# KiCad board Julelys LED.kicad_pcb
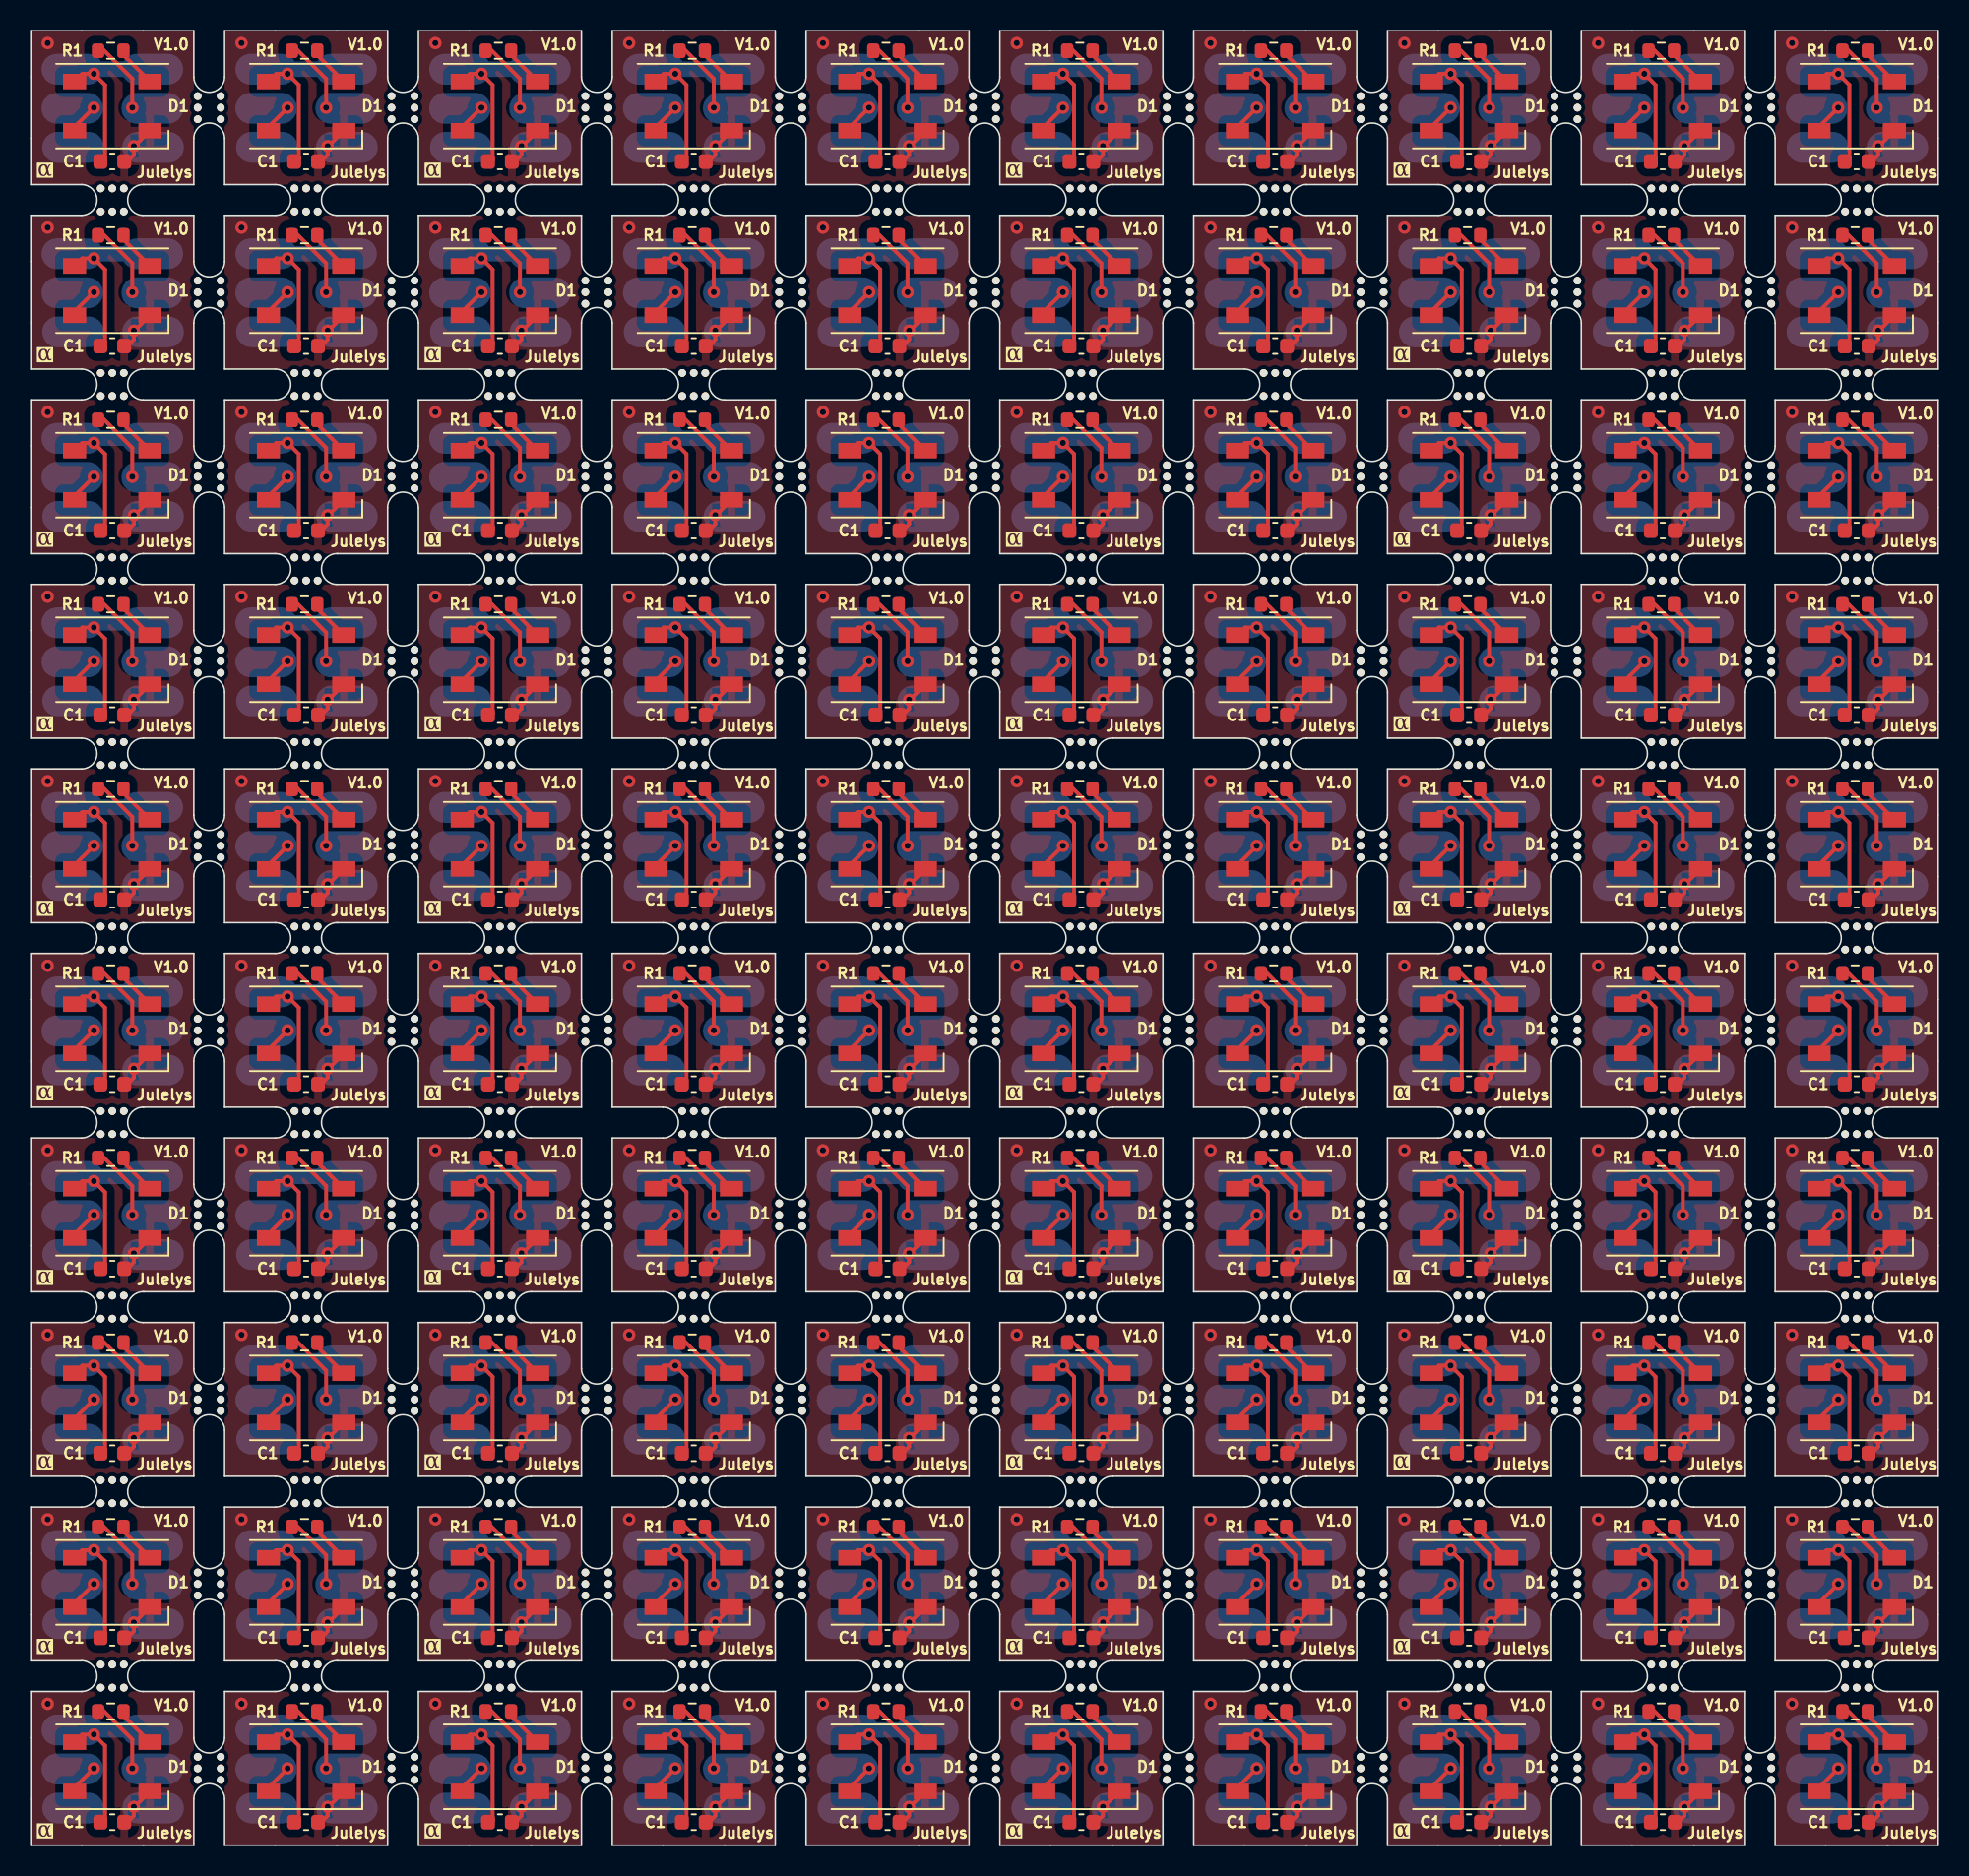
[diagram p0: board, top side]
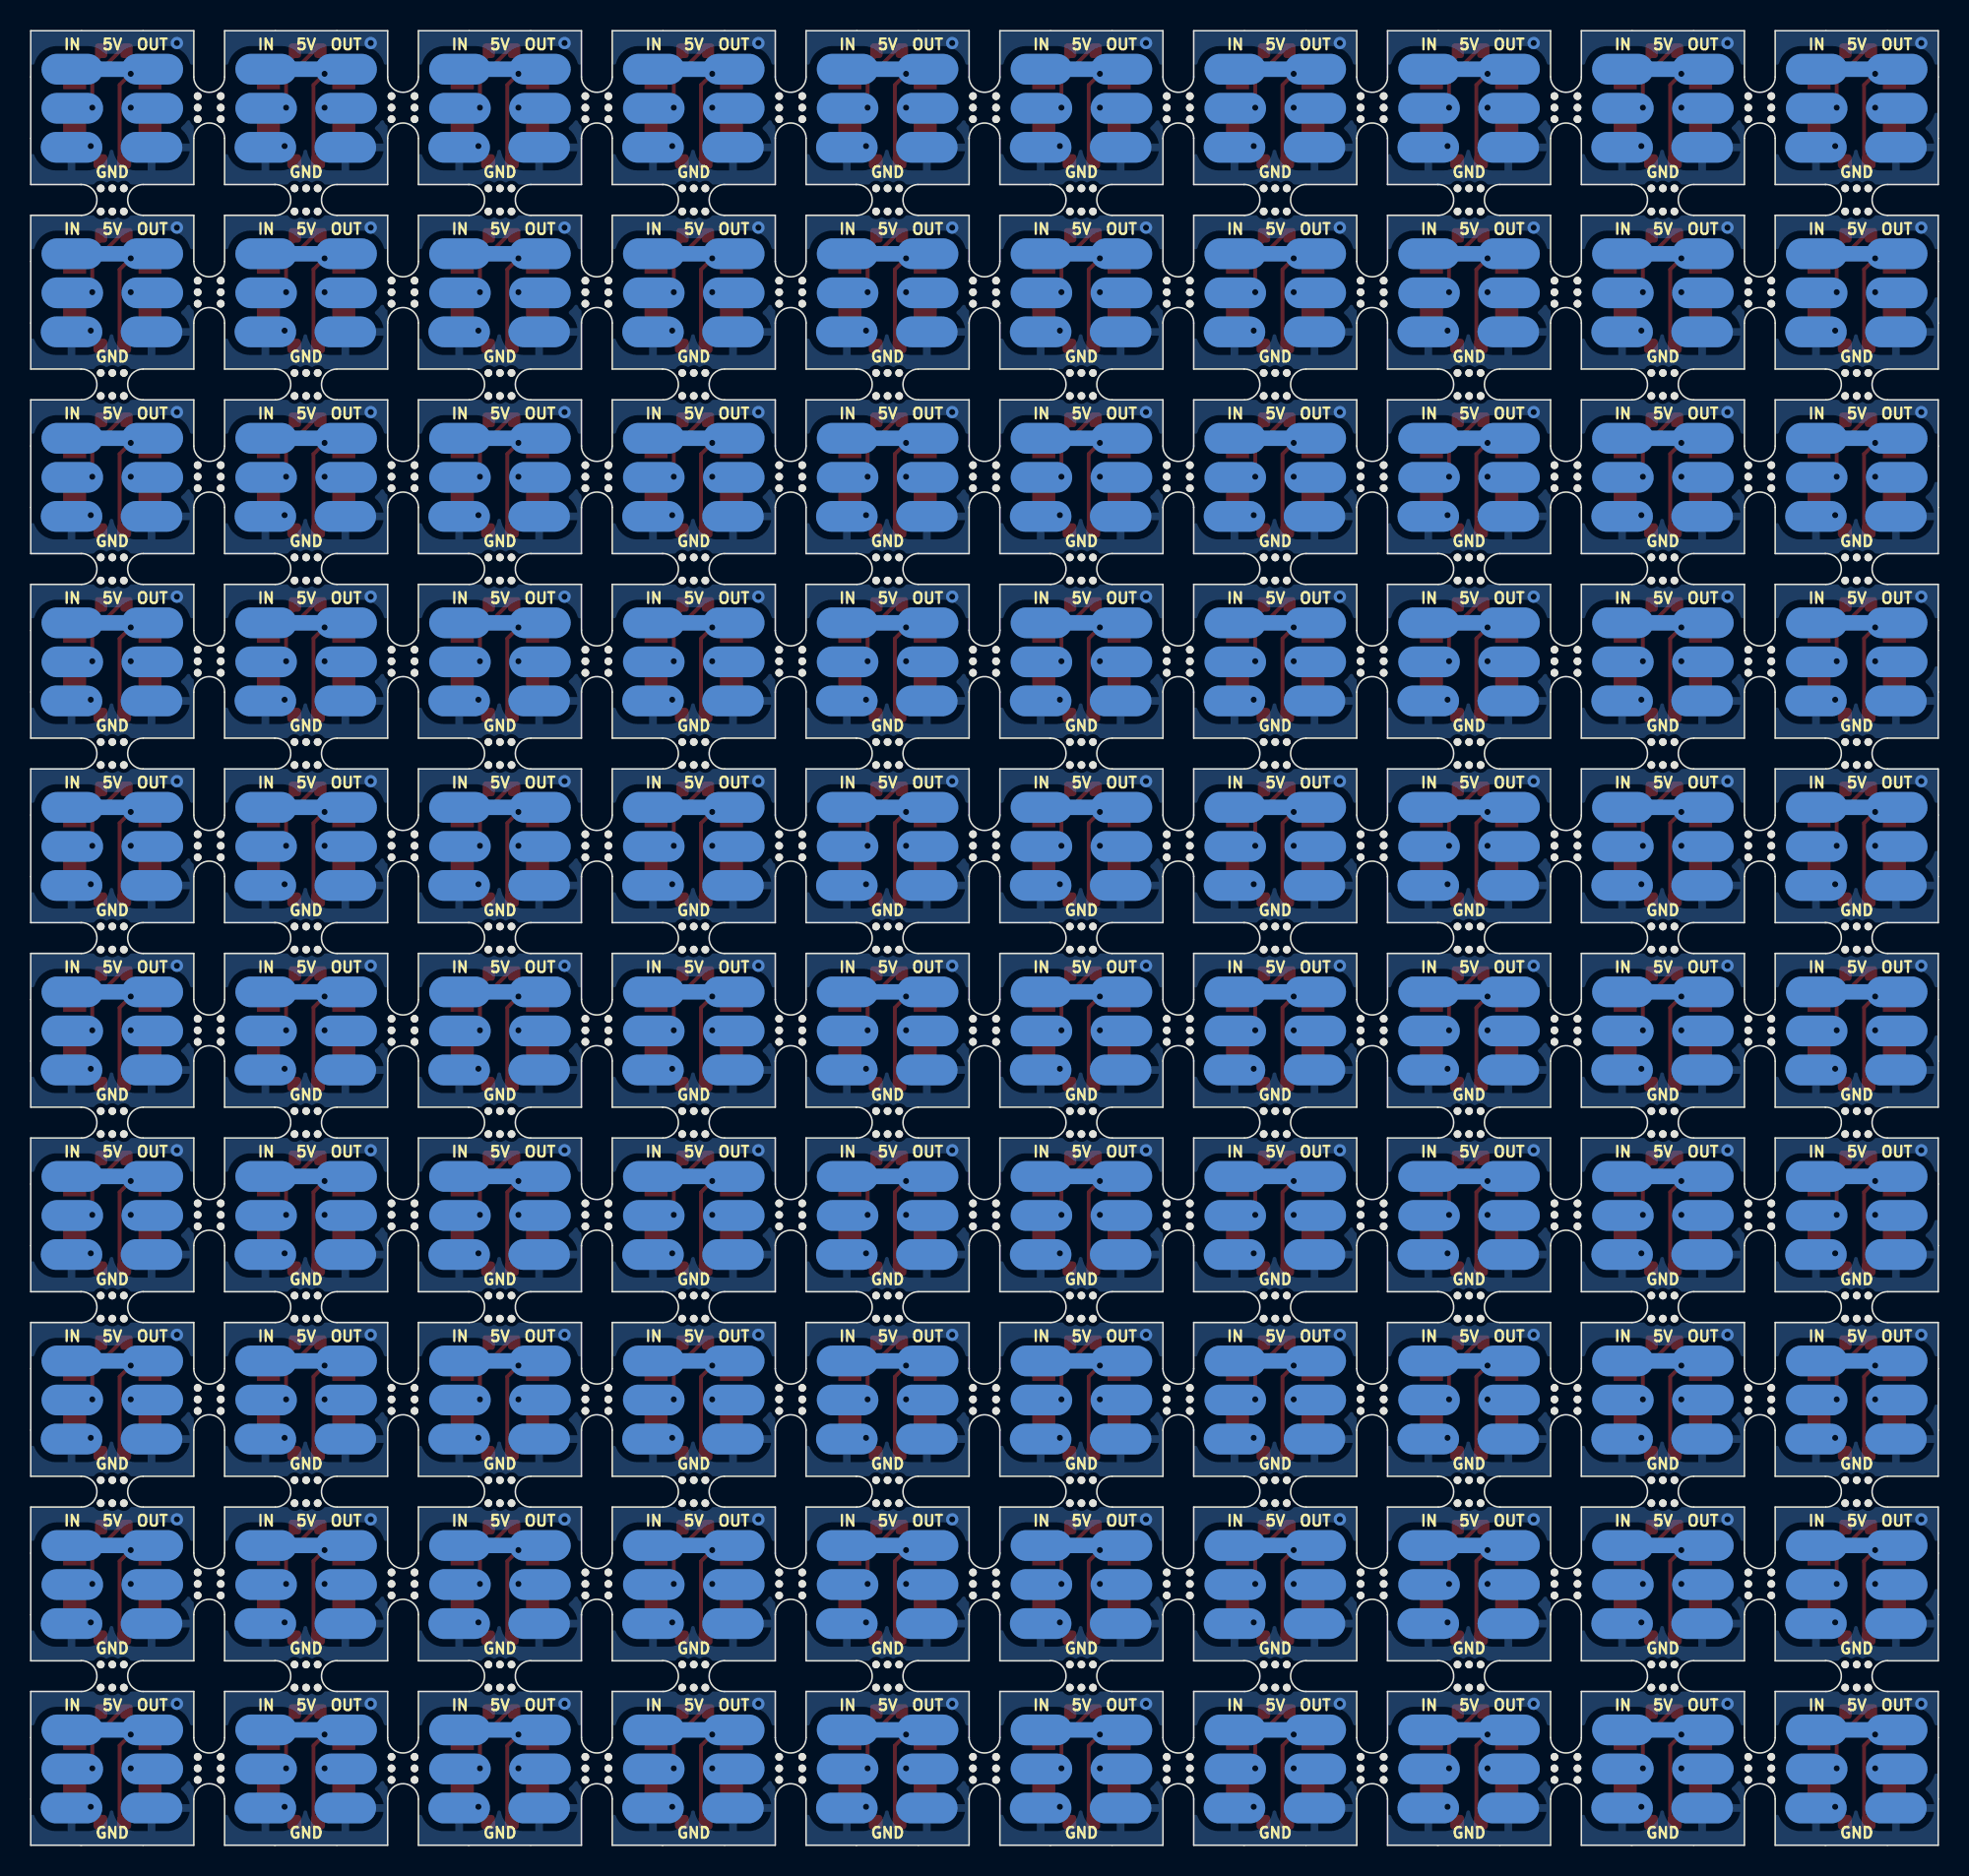
[diagram p1: board, bottom side, seen from below]

Outline 124 x 117.99 mm; copper layers: Top (plane), Bottom (plane). Coordinates in mm from the lower left corner of the outline.
Outline path: 3.3,107.99 0,107.99 0,117.99 10.6,117.99 10.6,114.99 ; 3.3,105.99 0,105.99 0,95.99 3.3,95.99 ; 3.3,93.99 0,93.99 0,83.99 3.3,83.99 ; 3.3,81.99 0,81.99 0,71.99 3.3,71.99 ; 3.3,69.99 0,69.99 0,59.99 3.3,59.99 ; 3.3,57.99 0,57.99 0,47.99 3.3,47.99 ; 3.3,45.99 0,45.99 0,35.99 3.3,35.99 ; 3.3,33.99 0,33.99 0,23.99 3.3,23.99 ; 3.3,21.99 0,21.99 0,11.99 3.3,11.99 ; 3.3,10 0,10 0,0 10.6,0 10.6,3 ; 7.3,105.99 10.6,105.99 10.6,102.99 ; 7.3,93.99 10.6,93.99 10.6,90.99 ; 7.3,81.99 10.6,81.99 10.6,78.99 ; 7.3,69.99 10.6,69.99 10.6,66.99 ; 7.3,57.99 10.6,57.99 10.6,54.99 ; 7.3,45.99 10.6,45.99 10.6,42.99 ; 7.3,33.99 10.6,33.99 10.6,30.99 ; 7.3,21.99 10.6,21.99 10.6,18.99 ; 7.3,10 10.6,10 10.6,7 ; 7.3,107.99 10.6,107.99 10.6,110.99 ; 7.3,95.99 10.6,95.99 10.6,98.99 ; 7.3,83.99 10.6,83.99 10.6,86.99 ; 7.3,71.99 10.6,71.99 10.6,74.99 ; 7.3,59.99 10.6,59.99 10.6,62.99 ; 7.3,47.99 10.6,47.99 10.6,50.99 ; 7.3,35.99 10.6,35.99 10.6,38.99 ; 7.3,23.99 10.6,23.99 10.6,26.99 ; 7.3,11.99 10.6,11.99 10.6,14.99 ; 12.6,114.99 12.6,117.99 23.2,117.99 23.2,114.99 ; 12.6,110.99 12.6,107.99 15.9,107.99 ; 12.6,102.99 12.6,105.99 15.9,105.99 ; 12.6,98.99 12.6,95.99 15.9,95.99 ; 12.6,90.99 12.6,93.99 15.9,93.99 ; 12.6,86.99 12.6,83.99 15.9,83.99 ; 12.6,78.99 12.6,81.99 15.9,81.99 ; 12.6,74.99 12.6,71.99 15.9,71.99 ; 12.6,66.99 12.6,69.99 15.9,69.99 ; 12.6,62.99 12.6,59.99 15.9,59.99 ; 12.6,54.99 12.6,57.99 15.9,57.99 ; 12.6,50.99 12.6,47.99 15.9,47.99 ; 12.6,42.99 12.6,45.99 15.9,45.99 ; 12.6,38.99 12.6,35.99 15.9,35.99 ; 12.6,30.99 12.6,33.99 15.9,33.99 ; 12.6,26.99 12.6,23.99 15.9,23.99 ; 12.6,18.99 12.6,21.99 15.9,21.99 ; 12.6,14.99 12.6,11.99 15.9,11.99 ; 12.6,7 12.6,10 15.9,10 ; 12.6,3 12.6,0 23.2,0 23.2,3 ; 19.9,105.99 23.2,105.99 23.2,102.99 ; 19.9,93.99 23.2,93.99 23.2,90.99 ; 19.9,81.99 23.2,81.99 23.2,78.99 ; 19.9,69.99 23.2,69.99 23.2,66.99 ; 19.9,57.99 23.2,57.99 23.2,54.99 ; 19.9,45.99 23.2,45.99 23.2,42.99 ; 19.9,33.99 23.2,33.99 23.2,30.99 ; 19.9,21.99 23.2,21.99 23.2,18.99 ; 19.9,10 23.2,10 23.2,7 ; 19.9,107.99 23.2,107.99 23.2,110.99 ; 19.9,95.99 23.2,95.99 23.2,98.99 ; 19.9,83.99 23.2,83.99 23.2,86.99 ; 19.9,71.99 23.2,71.99 23.2,74.99 ; 19.9,59.99 23.2,59.99 23.2,62.99 ; 19.9,47.99 23.2,47.99 23.2,50.99 ; 19.9,35.99 23.2,35.99 23.2,38.99 ; 19.9,23.99 23.2,23.99 23.2,26.99 ; 19.9,11.99 23.2,11.99 23.2,14.99 ; 25.2,114.99 25.2,117.99 35.8,117.99 35.8,114.99 ; 25.2,110.99 25.2,107.99 28.5,107.99 ; 25.2,102.99 25.2,105.99 28.5,105.99 ; 25.2,98.99 25.2,95.99 28.5,95.99 ; 25.2,90.99 25.2,93.99 28.5,93.99 ; 25.2,86.99 25.2,83.99 28.5,83.99 ; 25.2,78.99 25.2,81.99 28.5,81.99 ; 25.2,74.99 25.2,71.99 28.5,71.99 ; 25.2,66.99 25.2,69.99 28.5,69.99 ; 25.2,62.99 25.2,59.99 28.5,59.99 ; 25.2,54.99 25.2,57.99 28.5,57.99 ; 25.2,50.99 25.2,47.99 28.5,47.99 ; 25.2,42.99 25.2,45.99 28.5,45.99 ; 25.2,38.99 25.2,35.99 28.5,35.99 ; 25.2,30.99 25.2,33.99 28.5,33.99 ; 25.2,26.99 25.2,23.99 28.5,23.99 ; 25.2,18.99 25.2,21.99 28.5,21.99 ; 25.2,14.99 25.2,11.99 28.5,11.99 ; 25.2,7 25.2,10 28.5,10 ; 25.2,3 25.2,0 35.8,0 35.8,3 ; 32.5,105.99 35.8,105.99 35.8,102.99 ; 32.5,93.99 35.8,93.99 35.8,90.99 ; 32.5,81.99 35.8,81.99 35.8,78.99 ; 32.5,69.99 35.8,69.99 35.8,66.99 ; 32.5,57.99 35.8,57.99 35.8,54.99 ; 32.5,45.99 35.8,45.99 35.8,42.99 ; 32.5,33.99 35.8,33.99 35.8,30.99 ; 32.5,21.99 35.8,21.99 35.8,18.99 ; 32.5,10 35.8,10 35.8,7 ; 32.5,107.99 35.8,107.99 35.8,110.99 ; 32.5,95.99 35.8,95.99 35.8,98.99 ; 32.5,83.99 35.8,83.99 35.8,86.99 ; 32.5,71.99 35.8,71.99 35.8,74.99 ; 32.5,59.99 35.8,59.99 35.8,62.99 ; 32.5,47.99 35.8,47.99 35.8,50.99 ; 32.5,35.99 35.8,35.99 35.8,38.99 ; 32.5,23.99 35.8,23.99 35.8,26.99 ; 32.5,11.99 35.8,11.99 35.8,14.99 ; 37.8,114.99 37.8,117.99 48.4,117.99 48.4,114.99 ; 37.8,110.99 37.8,107.99 41.1,107.99 ; 37.8,102.99 37.8,105.99 41.1,105.99 ; 37.8,98.99 37.8,95.99 41.1,95.99 ; 37.8,90.99 37.8,93.99 41.1,93.99 ; 37.8,86.99 37.8,83.99 41.1,83.99 ; 37.8,78.99 37.8,81.99 41.1,81.99 ; 37.8,74.99 37.8,71.99 41.1,71.99 ; 37.8,66.99 37.8,69.99 41.1,69.99 ; 37.8,62.99 37.8,59.99 41.1,59.99 ; 37.8,54.99 37.8,57.99 41.1,57.99 ; 37.8,50.99 37.8,47.99 41.1,47.99 ; 37.8,42.99 37.8,45.99 41.1,45.99 ; 37.8,38.99 37.8,35.99 41.1,35.99 ; 37.8,30.99 37.8,33.99 41.1,33.99 ; 37.8,26.99 37.8,23.99 41.1,23.99 ; 37.8,18.99 37.8,21.99 41.1,21.99 ; 37.8,14.99 37.8,11.99 41.1,11.99 ; 37.8,7 37.8,10 41.1,10 ; 37.8,3 37.8,0 48.4,0 48.4,3 ; 45.1,105.99 48.4,105.99 48.4,102.99 ; 45.1,93.99 48.4,93.99 48.4,90.99 ; 45.1,81.99 48.4,81.99 48.4,78.99 ; 45.1,69.99 48.4,69.99 48.4,66.99 ; 45.1,57.99 48.4,57.99 48.4,54.99 ; 45.1,45.99 48.4,45.99 48.4,42.99 ; 45.1,33.99 48.4,33.99 48.4,30.99 ; 45.1,21.99 48.4,21.99 48.4,18.99 ; 45.1,10 48.4,10 48.4,7 ; 45.1,107.99 48.4,107.99 48.4,110.99 ; 45.1,95.99 48.4,95.99 48.4,98.99 ; 45.1,83.99 48.4,83.99 48.4,86.99 ; 45.1,71.99 48.4,71.99 48.4,74.99 ; 45.1,59.99 48.4,59.99 48.4,62.99 ; 45.1,47.99 48.4,47.99 48.4,50.99 ; 45.1,35.99 48.4,35.99 48.4,38.99 ; 45.1,23.99 48.4,23.99 48.4,26.99 ; 45.1,11.99 48.4,11.99 48.4,14.99 ; 50.4,114.99 50.4,117.99 61,117.99 61,114.99 ; 50.4,110.99 50.4,107.99 53.7,107.99 ; 50.4,102.99 50.4,105.99 53.7,105.99 ; 50.4,98.99 50.4,95.99 53.7,95.99 ; 50.4,90.99 50.4,93.99 53.7,93.99 ; 50.4,86.99 50.4,83.99 53.7,83.99 ; 50.4,78.99 50.4,81.99 53.7,81.99 ; 50.4,74.99 50.4,71.99 53.7,71.99 ; 50.4,66.99 50.4,69.99 53.7,69.99 ; 50.4,62.99 50.4,59.99 53.7,59.99 ; 50.4,54.99 50.4,57.99 53.7,57.99 ; 50.4,50.99 50.4,47.99 53.7,47.99 ; 50.4,42.99 50.4,45.99 53.7,45.99 ; 50.4,38.99 50.4,35.99 53.7,35.99 ; 50.4,30.99 50.4,33.99 53.7,33.99 ; 50.4,26.99 50.4,23.99 53.7,23.99 ; 50.4,18.99 50.4,21.99 53.7,21.99 ; 50.4,14.99 50.4,11.99 53.7,11.99 ; 50.4,7 50.4,10 53.7,10 ; 50.4,3 50.4,0 61,0 61,3 ; 57.7,105.99 61,105.99 61,102.99 ; 57.7,93.99 61,93.99 61,90.99 ; 57.7,81.99 61,81.99 61,78.99 ; 57.7,69.99 61,69.99 61,66.99 ; 57.7,57.99 61,57.99 61,54.99 ; 57.7,45.99 61,45.99 61,42.99 ; 57.7,33.99 61,33.99 61,30.99 ; 57.7,21.99 61,21.99 61,18.99 ; 57.7,10 61,10 61,7 ; 57.7,107.99 61,107.99 61,110.99 ; 57.7,95.99 61,95.99 61,98.99 ; 57.7,83.99 61,83.99 61,86.99 ; 57.7,71.99 61,71.99 61,74.99 ; 57.7,59.99 61,59.99 61,62.99 ; 57.7,47.99 61,47.99 61,50.99 ; 57.7,35.99 61,35.99 61,38.99 ; 57.7,23.99 61,23.99 61,26.99 ; 57.7,11.99 61,11.99 61,14.99 ; 63,114.99 63,117.99 73.6,117.99 73.6,114.99 ; 63,110.99 63,107.99 66.3,107.99 ; 63,102.99 63,105.99 66.3,105.99 ; 63,98.99 63,95.99 66.3,95.99 ; 63,90.99 63,93.99 66.3,93.99 ; 63,86.99 63,83.99 66.3,83.99 ; 63,78.99 63,81.99 66.3,81.99 ; 63,74.99 63,71.99 66.3,71.99 ; 63,66.99 63,69.99 66.3,69.99 ; 63,62.99 63,59.99 66.3,59.99 ; 63,54.99 63,57.99 66.3,57.99 ; 63,50.99 63,47.99 66.3,47.99 ; 63,42.99 63,45.99 66.3,45.99 ; 63,38.99 63,35.99 66.3,35.99 ; 63,30.99 63,33.99 66.3,33.99 ; 63,26.99 63,23.99 66.3,23.99 ; 63,18.99 63,21.99 66.3,21.99 ; 63,14.99 63,11.99 66.3,11.99 ; 63,7 63,10 66.3,10 ; 63,3 63,0 73.6,0 73.6,3 ; 70.3,105.99 73.6,105.99 73.6,102.99 ; 70.3,93.99 73.6,93.99 73.6,90.99 ; 70.3,81.99 73.6,81.99 73.6,78.99 ; 70.3,69.99 73.6,69.99 73.6,66.99 ; 70.3,57.99 73.6,57.99 73.6,54.99 ; 70.3,45.99 73.6,45.99 73.6,42.99 ; 70.3,33.99 73.6,33.99 73.6,30.99 ; 70.3,21.99 73.6,21.99 73.6,18.99 ; 70.3,10 73.6,10 73.6,7 ; 70.3,107.99 73.6,107.99 73.6,110.99 ; 70.3,95.99 73.6,95.99 73.6,98.99 ; 70.3,83.99 73.6,83.99 73.6,86.99 ; 70.3,71.99 73.6,71.99 73.6,74.99 ; 70.3,59.99 73.6,59.99 73.6,62.99 ; 70.3,47.99 73.6,47.99 73.6,50.99 ; 70.3,35.99 73.6,35.99 73.6,38.99 ; 70.3,23.99 73.6,23.99 73.6,26.99 ; 70.3,11.99 73.6,11.99 73.6,14.99 ; 75.6,114.99 75.6,117.99 86.2,117.99 86.2,114.99 ; 75.6,110.99 75.6,107.99 78.9,107.99 ; 75.6,102.99 75.6,105.99 78.9,105.99 ; 75.6,98.99 75.6,95.99 78.9,95.99 ; 75.6,90.99 75.6,93.99 78.9,93.99 ; 75.6,86.99 75.6,83.99 78.9,83.99 ; 75.6,78.99 75.6,81.99 78.9,81.99 ; 75.6,74.99 75.6,71.99 78.9,71.99 ; 75.6,66.99 75.6,69.99 78.9,69.99 ; 75.6,62.99 75.6,59.99 78.9,59.99 ; 75.6,54.99 75.6,57.99 78.9,57.99 ; 75.6,50.99 75.6,47.99 78.9,47.99 ; 75.6,42.99 75.6,45.99 78.9,45.99 ; 75.6,38.99 75.6,35.99 78.9,35.99 ; 75.6,30.99 75.6,33.99 78.9,33.99 ; 75.6,26.99 75.6,23.99 78.9,23.99 ; 75.6,18.99 75.6,21.99 78.9,21.99 ; 75.6,14.99 75.6,11.99 78.9,11.99 ; 75.6,7 75.6,10 78.9,10 ; 75.6,3 75.6,0 86.2,0 86.2,3 ; 82.9,105.99 86.2,105.99 86.2,102.99 ; 82.9,93.99 86.2,93.99 86.2,90.99 ; 82.9,81.99 86.2,81.99 86.2,78.99 ; 82.9,69.99 86.2,69.99 86.2,66.99 ; 82.9,57.99 86.2,57.99 86.2,54.99 ; 82.9,45.99 86.2,45.99 86.2,42.99 ; 82.9,33.99 86.2,33.99 86.2,30.99 ; 82.9,21.99 86.2,21.99 86.2,18.99 ; 82.9,10 86.2,10 86.2,7 ; 82.9,107.99 86.2,107.99 86.2,110.99 ; 82.9,95.99 86.2,95.99 86.2,98.99 ; 82.9,83.99 86.2,83.99 86.2,86.99 ; 82.9,71.99 86.2,71.99 86.2,74.99 ; 82.9,59.99 86.2,59.99 86.2,62.99 ; 82.9,47.99 86.2,47.99 86.2,50.99 ; 82.9,35.99 86.2,35.99 86.2,38.99 ; 82.9,23.99 86.2,23.99 86.2,26.99 ; 82.9,11.99 86.2,11.99 86.2,14.99 ; 88.2,114.99 88.2,117.99 98.8,117.99 98.8,114.99 ; 88.2,110.99 88.2,107.99 91.5,107.99 ; 88.2,102.99 88.2,105.99 91.5,105.99 ; 88.2,98.99 88.2,95.99 91.5,95.99 ; 88.2,90.99 88.2,93.99 91.5,93.99 ; 88.2,86.99 88.2,83.99 91.5,83.99 ; 88.2,78.99 88.2,81.99 91.5,81.99 ; 88.2,74.99 88.2,71.99 91.5,71.99 ; 88.2,66.99 88.2,69.99 91.5,69.99 ; 88.2,62.99 88.2,59.99 91.5,59.99 ; 88.2,54.99 88.2,57.99 91.5,57.99 ; 88.2,50.99 88.2,47.99 91.5,47.99 ; 88.2,42.99 88.2,45.99 91.5,45.99 ; 88.2,38.99 88.2,35.99 91.5,35.99 ; 88.2,30.99 88.2,33.99 91.5,33.99 ; 88.2,26.99 88.2,23.99 91.5,23.99 ; 88.2,18.99 88.2,21.99 91.5,21.99 ; 88.2,14.99 88.2,11.99 91.5,11.99 ; 88.2,7 88.2,10 91.5,10 ; 88.2,3 88.2,0 98.8,0 98.8,3 ; 95.5,105.99 98.8,105.99 98.8,102.99 ; 95.5,93.99 98.8,93.99 98.8,90.99 ; 95.5,81.99 98.8,81.99 98.8,78.99 ; 95.5,69.99 98.8,69.99 98.8,66.99 ; 95.5,57.99 98.8,57.99 98.8,54.99 ; 95.5,45.99 98.8,45.99 98.8,42.99 ; 95.5,33.99 98.8,33.99 98.8,30.99 ; 95.5,21.99 98.8,21.99 98.8,18.99 ; 95.5,10 98.8,10 98.8,7 ; 95.5,107.99 98.8,107.99 98.8,110.99 ; 95.5,95.99 98.8,95.99 98.8,98.99 ; 95.5,83.99 98.8,83.99 98.8,86.99 ; 95.5,71.99 98.8,71.99 98.8,74.99 ; 95.5,59.99 98.8,59.99 98.8,62.99 ; 95.5,47.99 98.8,47.99 98.8,50.99 ; 95.5,35.99 98.8,35.99 98.8,38.99 ; 95.5,23.99 98.8,23.99 98.8,26.99 ; 95.5,11.99 98.8,11.99 98.8,14.99 ; 100.8,114.99 100.8,117.99 111.4,117.99 111.4,114.99 ; 100.8,110.99 100.8,107.99 104.1,107.99 ; 100.8,102.99 100.8,105.99 104.1,105.99 ; 100.8,98.99 100.8,95.99 104.1,95.99 ; 100.8,90.99 100.8,93.99 104.1,93.99 ; 100.8,86.99 100.8,83.99 104.1,83.99 ; 100.8,78.99 100.8,81.99 104.1,81.99 ; 100.8,74.99 100.8,71.99 104.1,71.99 ; 100.8,66.99 100.8,69.99 104.1,69.99 ; 100.8,62.99 100.8,59.99 104.1,59.99 ; 100.8,54.99 100.8,57.99 104.1,57.99 ; 100.8,50.99 100.8,47.99 104.1,47.99 ; 100.8,42.99 100.8,45.99 104.1,45.99 ; 100.8,38.99 100.8,35.99 104.1,35.99 ; 100.8,30.99 100.8,33.99 104.1,33.99 ; 100.8,26.99 100.8,23.99 104.1,23.99 ; 100.8,18.99 100.8,21.99 104.1,21.99 ; 100.8,14.99 100.8,11.99 104.1,11.99 ; 100.8,7 100.8,10 104.1,10 ; 100.8,3 100.8,0 111.4,0 111.4,3 ; 108.1,105.99 111.4,105.99 111.4,102.99 ; 108.1,93.99 111.4,93.99 111.4,90.99 ; 108.1,81.99 111.4,81.99 111.4,78.99 ; 108.1,69.99 111.4,69.99 111.4,66.99 ; 108.1,57.99 111.4,57.99 111.4,54.99 ; 108.1,45.99 111.4,45.99 111.4,42.99 ; 108.1,33.99 111.4,33.99 111.4,30.99 ; 108.1,21.99 111.4,21.99 111.4,18.99 ; 108.1,10 111.4,10 111.4,7 ; 108.1,107.99 111.4,107.99 111.4,110.99 ; 108.1,95.99 111.4,95.99 111.4,98.99 ; 108.1,83.99 111.4,83.99 111.4,86.99 ; 108.1,71.99 111.4,71.99 111.4,74.99 ; 108.1,59.99 111.4,59.99 111.4,62.99 ; 108.1,47.99 111.4,47.99 111.4,50.99 ; 108.1,35.99 111.4,35.99 111.4,38.99 ; 108.1,23.99 111.4,23.99 111.4,26.99 ; 108.1,11.99 111.4,11.99 111.4,14.99 ; 113.4,114.99 113.4,117.99 124,117.99 124,107.99 120.7,107.99 ; 113.4,110.99 113.4,107.99 116.7,107.99 ; 113.4,102.99 113.4,105.99 116.7,105.99 ; 113.4,98.99 113.4,95.99 116.7,95.99 ; 113.4,90.99 113.4,93.99 116.7,93.99 ; 113.4,86.99 113.4,83.99 116.7,83.99 ; 113.4,78.99 113.4,81.99 116.7,81.99 ; 113.4,74.99 113.4,71.99 116.7,71.99 ; 113.4,66.99 113.4,69.99 116.7,69.99 ; 113.4,62.99 113.4,59.99 116.7,59.99 ; 113.4,54.99 113.4,57.99 116.7,57.99 ; 113.4,50.99 113.4,47.99 116.7,47.99 ; 113.4,42.99 113.4,45.99 116.7,45.99 ; 113.4,38.99 113.4,35.99 116.7,35.99 ; 113.4,30.99 113.4,33.99 116.7,33.99 ; 113.4,26.99 113.4,23.99 116.7,23.99 ; 113.4,18.99 113.4,21.99 116.7,21.99 ; 113.4,14.99 113.4,11.99 116.7,11.99 ; 113.4,7 113.4,10 116.7,10 ; 113.4,3 113.4,0 124,0 124,10 120.7,10 ; 120.7,105.99 124,105.99 124,95.99 120.7,95.99 ; 120.7,93.99 124,93.99 124,83.99 120.7,83.99 ; 120.7,81.99 124,81.99 124,71.99 120.7,71.99 ; 120.7,69.99 124,69.99 124,59.99 120.7,59.99 ; 120.7,57.99 124,57.99 124,47.99 120.7,47.99 ; 120.7,45.99 124,45.99 124,35.99 120.7,35.99 ; 120.7,33.99 124,33.99 124,23.99 120.7,23.99 ; 120.7,21.99 124,21.99 124,11.99 120.7,11.99
Stack: Top 0.035mm / dielectric 0.71mm FR4 er 4.5 / Bottom 0.035mm

## Placement (name value [footprint] x y rotation side)
C1  100nf  [C_0603_1608Metric]  68.3 109.49 0 top
C1#2  100nf  [C_0603_1608Metric]  55.7 85.49 0 top
C1#3  100nf  [C_0603_1608Metric]  93.5 37.49 0 top
C1#4  100nf  [C_0603_1608Metric]  68.3 49.49 0 top
C1#5  100nf  [C_0603_1608Metric]  118.7 1.5 0 top
C1#6  100nf  [C_0603_1608Metric]  5.3 85.49 0 top
C1#7  100nf  [C_0603_1608Metric]  55.7 37.49 0 top
C1#8  100nf  [C_0603_1608Metric]  80.9 49.49 0 top
C1#9  100nf  [C_0603_1608Metric]  5.3 1.5 0 top
C1#10  100nf  [C_0603_1608Metric]  80.9 109.49 0 top
C1#11  100nf  [C_0603_1608Metric]  43.1 85.49 0 top
C1#12  100nf  [C_0603_1608Metric]  106.1 49.49 0 top
C1#13  100nf  [C_0603_1608Metric]  30.5 49.49 0 top
C1#14  100nf  [C_0603_1608Metric]  68.3 85.49 0 top
C1#15  100nf  [C_0603_1608Metric]  80.9 73.49 0 top
C1#16  100nf  [C_0603_1608Metric]  43.1 73.49 0 top
C1#17  100nf  [C_0603_1608Metric]  5.3 13.49 0 top
C1#18  100nf  [C_0603_1608Metric]  80.9 61.49 0 top
C1#19  100nf  [C_0603_1608Metric]  80.9 1.5 0 top
C1#20  100nf  [C_0603_1608Metric]  118.7 13.49 0 top
C1#21  100nf  [C_0603_1608Metric]  68.3 73.49 0 top
C1#22  100nf  [C_0603_1608Metric]  118.7 61.49 0 top
C1#23  100nf  [C_0603_1608Metric]  80.9 97.49 0 top
C1#24  100nf  [C_0603_1608Metric]  55.7 109.49 0 top
C1#25  100nf  [C_0603_1608Metric]  30.5 85.49 0 top
C1#26  100nf  [C_0603_1608Metric]  118.7 37.49 0 top
C1#27  100nf  [C_0603_1608Metric]  30.5 25.49 0 top
C1#28  100nf  [C_0603_1608Metric]  17.9 25.49 0 top
C1#29  100nf  [C_0603_1608Metric]  106.1 97.49 0 top
C1#30  100nf  [C_0603_1608Metric]  43.1 97.49 0 top
C1#31  100nf  [C_0603_1608Metric]  93.5 73.49 0 top
C1#32  100nf  [C_0603_1608Metric]  80.9 25.49 0 top
C1#33  100nf  [C_0603_1608Metric]  93.5 1.5 0 top
C1#34  100nf  [C_0603_1608Metric]  17.9 61.49 0 top
C1#35  100nf  [C_0603_1608Metric]  118.7 85.49 0 top
C1#36  100nf  [C_0603_1608Metric]  68.3 97.49 0 top
C1#37  100nf  [C_0603_1608Metric]  68.3 13.49 0 top
C1#38  100nf  [C_0603_1608Metric]  55.7 73.49 0 top
C1#39  100nf  [C_0603_1608Metric]  43.1 61.49 0 top
C1#40  100nf  [C_0603_1608Metric]  118.7 109.49 0 top
C1#41  100nf  [C_0603_1608Metric]  43.1 25.49 0 top
C1#42  100nf  [C_0603_1608Metric]  106.1 73.49 0 top
C1#43  100nf  [C_0603_1608Metric]  106.1 13.49 0 top
C1#44  100nf  [C_0603_1608Metric]  17.9 73.49 0 top
C1#45  100nf  [C_0603_1608Metric]  93.5 85.49 0 top
C1#46  100nf  [C_0603_1608Metric]  17.9 37.49 0 top
C1#47  100nf  [C_0603_1608Metric]  80.9 85.49 0 top
C1#48  100nf  [C_0603_1608Metric]  5.3 25.49 0 top
C1#49  100nf  [C_0603_1608Metric]  118.7 97.49 0 top
C1#50  100nf  [C_0603_1608Metric]  93.5 49.49 0 top
C1#51  100nf  [C_0603_1608Metric]  93.5 25.49 0 top
C1#52  100nf  [C_0603_1608Metric]  80.9 13.49 0 top
C1#53  100nf  [C_0603_1608Metric]  5.3 109.49 0 top
C1#54  100nf  [C_0603_1608Metric]  55.7 1.5 0 top
C1#55  100nf  [C_0603_1608Metric]  43.1 109.49 0 top
C1#56  100nf  [C_0603_1608Metric]  5.3 61.49 0 top
C1#57  100nf  [C_0603_1608Metric]  30.5 97.49 0 top
C1#58  100nf  [C_0603_1608Metric]  30.5 37.49 0 top
C1#59  100nf  [C_0603_1608Metric]  68.3 1.5 0 top
C1#60  100nf  [C_0603_1608Metric]  17.9 85.49 0 top
C1#61  100nf  [C_0603_1608Metric]  30.5 61.49 0 top
C1#62  100nf  [C_0603_1608Metric]  68.3 37.49 0 top
C1#63  100nf  [C_0603_1608Metric]  93.5 97.49 0 top
C1#64  100nf  [C_0603_1608Metric]  55.7 61.49 0 top
C1#65  100nf  [C_0603_1608Metric]  68.3 61.49 0 top
C1#66  100nf  [C_0603_1608Metric]  17.9 49.49 0 top
C1#67  100nf  [C_0603_1608Metric]  68.3 25.49 0 top
C1#68  100nf  [C_0603_1608Metric]  5.3 49.49 0 top
C1#69  100nf  [C_0603_1608Metric]  17.9 1.5 0 top
C1#70  100nf  [C_0603_1608Metric]  55.7 97.49 0 top
C1#71  100nf  [C_0603_1608Metric]  17.9 13.49 0 top
C1#72  100nf  [C_0603_1608Metric]  55.7 13.49 0 top
C1#73  100nf  [C_0603_1608Metric]  93.5 61.49 0 top
C1#74  100nf  [C_0603_1608Metric]  80.9 37.49 0 top
C1#75  100nf  [C_0603_1608Metric]  106.1 61.49 0 top
C1#76  100nf  [C_0603_1608Metric]  30.5 13.49 0 top
C1#77  100nf  [C_0603_1608Metric]  118.7 25.49 0 top
C1#78  100nf  [C_0603_1608Metric]  106.1 109.49 0 top
C1#79  100nf  [C_0603_1608Metric]  30.5 73.49 0 top
C1#80  100nf  [C_0603_1608Metric]  5.3 97.49 0 top
C1#81  100nf  [C_0603_1608Metric]  43.1 49.49 0 top
C1#82  100nf  [C_0603_1608Metric]  17.9 97.49 0 top
C1#83  100nf  [C_0603_1608Metric]  5.3 73.49 0 top
C1#84  100nf  [C_0603_1608Metric]  106.1 1.5 0 top
C1#85  100nf  [C_0603_1608Metric]  118.7 73.49 0 top
C1#86  100nf  [C_0603_1608Metric]  106.1 85.49 0 top
C1#87  100nf  [C_0603_1608Metric]  43.1 37.49 0 top
C1#88  100nf  [C_0603_1608Metric]  106.1 37.49 0 top
C1#89  100nf  [C_0603_1608Metric]  106.1 25.49 0 top
C1#90  100nf  [C_0603_1608Metric]  43.1 13.49 0 top
C1#91  100nf  [C_0603_1608Metric]  55.7 25.49 0 top
C1#92  100nf  [C_0603_1608Metric]  118.7 49.49 0 top
C1#93  100nf  [C_0603_1608Metric]  43.1 1.5 0 top
C1#94  100nf  [C_0603_1608Metric]  30.5 1.5 0 top
C1#95  100nf  [C_0603_1608Metric]  55.7 49.49 0 top
C1#96  100nf  [C_0603_1608Metric]  30.5 109.49 0 top
C1#97  100nf  [C_0603_1608Metric]  17.9 109.49 0 top
C1#98  100nf  [C_0603_1608Metric]  5.3 37.49 0 top
C1#99  100nf  [C_0603_1608Metric]  93.5 13.49 0 top
C1#100  100nf  [C_0603_1608Metric]  93.5 109.49 0 top
D1  SK6812  [LED_SK6812_PLCC4_5.0x5.0mm_P3.2mm]  30.5 29.09 0 top
D1#2  SK6812  [LED_SK6812_PLCC4_5.0x5.0mm_P3.2mm]  43.1 65.09 0 top
D1#3  SK6812  [LED_SK6812_PLCC4_5.0x5.0mm_P3.2mm]  106.1 89.09 0 top
D1#4  SK6812  [LED_SK6812_PLCC4_5.0x5.0mm_P3.2mm]  106.1 65.09 0 top
D1#5  SK6812  [LED_SK6812_PLCC4_5.0x5.0mm_P3.2mm]  30.5 101.09 0 top
D1#6  SK6812  [LED_SK6812_PLCC4_5.0x5.0mm_P3.2mm]  55.7 77.09 0 top
D1#7  SK6812  [LED_SK6812_PLCC4_5.0x5.0mm_P3.2mm]  118.7 41.09 0 top
D1#8  SK6812  [LED_SK6812_PLCC4_5.0x5.0mm_P3.2mm]  55.7 5.1 0 top
D1#9  SK6812  [LED_SK6812_PLCC4_5.0x5.0mm_P3.2mm]  55.7 41.09 0 top
D1#10  SK6812  [LED_SK6812_PLCC4_5.0x5.0mm_P3.2mm]  118.7 113.09 0 top
D1#11  SK6812  [LED_SK6812_PLCC4_5.0x5.0mm_P3.2mm]  5.3 113.09 0 top
D1#12  SK6812  [LED_SK6812_PLCC4_5.0x5.0mm_P3.2mm]  93.5 101.09 0 top
D1#13  SK6812  [LED_SK6812_PLCC4_5.0x5.0mm_P3.2mm]  68.3 65.09 0 top
D1#14  SK6812  [LED_SK6812_PLCC4_5.0x5.0mm_P3.2mm]  68.3 53.09 0 top
D1#15  SK6812  [LED_SK6812_PLCC4_5.0x5.0mm_P3.2mm]  80.9 5.1 0 top
D1#16  SK6812  [LED_SK6812_PLCC4_5.0x5.0mm_P3.2mm]  118.7 5.1 0 top
D1#17  SK6812  [LED_SK6812_PLCC4_5.0x5.0mm_P3.2mm]  17.9 77.09 0 top
D1#18  SK6812  [LED_SK6812_PLCC4_5.0x5.0mm_P3.2mm]  118.7 29.09 0 top
D1#19  SK6812  [LED_SK6812_PLCC4_5.0x5.0mm_P3.2mm]  93.5 65.09 0 top
D1#20  SK6812  [LED_SK6812_PLCC4_5.0x5.0mm_P3.2mm]  55.7 101.09 0 top
D1#21  SK6812  [LED_SK6812_PLCC4_5.0x5.0mm_P3.2mm]  80.9 89.09 0 top
D1#22  SK6812  [LED_SK6812_PLCC4_5.0x5.0mm_P3.2mm]  43.1 113.09 0 top
D1#23  SK6812  [LED_SK6812_PLCC4_5.0x5.0mm_P3.2mm]  5.3 41.09 0 top
D1#24  SK6812  [LED_SK6812_PLCC4_5.0x5.0mm_P3.2mm]  106.1 101.09 0 top
D1#25  SK6812  [LED_SK6812_PLCC4_5.0x5.0mm_P3.2mm]  43.1 17.09 0 top
D1#26  SK6812  [LED_SK6812_PLCC4_5.0x5.0mm_P3.2mm]  93.5 41.09 0 top
D1#27  SK6812  [LED_SK6812_PLCC4_5.0x5.0mm_P3.2mm]  43.1 41.09 0 top
D1#28  SK6812  [LED_SK6812_PLCC4_5.0x5.0mm_P3.2mm]  93.5 5.1 0 top
D1#29  SK6812  [LED_SK6812_PLCC4_5.0x5.0mm_P3.2mm]  80.9 53.09 0 top
D1#30  SK6812  [LED_SK6812_PLCC4_5.0x5.0mm_P3.2mm]  93.5 89.09 0 top
D1#31  SK6812  [LED_SK6812_PLCC4_5.0x5.0mm_P3.2mm]  80.9 113.09 0 top
D1#32  SK6812  [LED_SK6812_PLCC4_5.0x5.0mm_P3.2mm]  93.5 17.09 0 top
D1#33  SK6812  [LED_SK6812_PLCC4_5.0x5.0mm_P3.2mm]  17.9 89.09 0 top
D1#34  SK6812  [LED_SK6812_PLCC4_5.0x5.0mm_P3.2mm]  30.5 5.1 0 top
D1#35  SK6812  [LED_SK6812_PLCC4_5.0x5.0mm_P3.2mm]  30.5 113.09 0 top
D1#36  SK6812  [LED_SK6812_PLCC4_5.0x5.0mm_P3.2mm]  80.9 17.09 0 top
D1#37  SK6812  [LED_SK6812_PLCC4_5.0x5.0mm_P3.2mm]  118.7 53.09 0 top
D1#38  SK6812  [LED_SK6812_PLCC4_5.0x5.0mm_P3.2mm]  43.1 77.09 0 top
D1#39  SK6812  [LED_SK6812_PLCC4_5.0x5.0mm_P3.2mm]  68.3 17.09 0 top
D1#40  SK6812  [LED_SK6812_PLCC4_5.0x5.0mm_P3.2mm]  5.3 101.09 0 top
D1#41  SK6812  [LED_SK6812_PLCC4_5.0x5.0mm_P3.2mm]  106.1 5.1 0 top
D1#42  SK6812  [LED_SK6812_PLCC4_5.0x5.0mm_P3.2mm]  68.3 5.1 0 top
D1#43  SK6812  [LED_SK6812_PLCC4_5.0x5.0mm_P3.2mm]  93.5 29.09 0 top
D1#44  SK6812  [LED_SK6812_PLCC4_5.0x5.0mm_P3.2mm]  17.9 53.09 0 top
D1#45  SK6812  [LED_SK6812_PLCC4_5.0x5.0mm_P3.2mm]  80.9 65.09 0 top
D1#46  SK6812  [LED_SK6812_PLCC4_5.0x5.0mm_P3.2mm]  106.1 17.09 0 top
D1#47  SK6812  [LED_SK6812_PLCC4_5.0x5.0mm_P3.2mm]  43.1 29.09 0 top
D1#48  SK6812  [LED_SK6812_PLCC4_5.0x5.0mm_P3.2mm]  43.1 5.1 0 top
D1#49  SK6812  [LED_SK6812_PLCC4_5.0x5.0mm_P3.2mm]  68.3 101.09 0 top
D1#50  SK6812  [LED_SK6812_PLCC4_5.0x5.0mm_P3.2mm]  55.7 89.09 0 top
D1#51  SK6812  [LED_SK6812_PLCC4_5.0x5.0mm_P3.2mm]  93.5 53.09 0 top
D1#52  SK6812  [LED_SK6812_PLCC4_5.0x5.0mm_P3.2mm]  118.7 65.09 0 top
D1#53  SK6812  [LED_SK6812_PLCC4_5.0x5.0mm_P3.2mm]  68.3 113.09 0 top
D1#54  SK6812  [LED_SK6812_PLCC4_5.0x5.0mm_P3.2mm]  17.9 41.09 0 top
D1#55  SK6812  [LED_SK6812_PLCC4_5.0x5.0mm_P3.2mm]  30.5 41.09 0 top
D1#56  SK6812  [LED_SK6812_PLCC4_5.0x5.0mm_P3.2mm]  55.7 53.09 0 top
D1#57  SK6812  [LED_SK6812_PLCC4_5.0x5.0mm_P3.2mm]  93.5 113.09 0 top
D1#58  SK6812  [LED_SK6812_PLCC4_5.0x5.0mm_P3.2mm]  118.7 17.09 0 top
D1#59  SK6812  [LED_SK6812_PLCC4_5.0x5.0mm_P3.2mm]  106.1 29.09 0 top
D1#60  SK6812  [LED_SK6812_PLCC4_5.0x5.0mm_P3.2mm]  118.7 101.09 0 top
D1#61  SK6812  [LED_SK6812_PLCC4_5.0x5.0mm_P3.2mm]  17.9 29.09 0 top
D1#62  SK6812  [LED_SK6812_PLCC4_5.0x5.0mm_P3.2mm]  80.9 41.09 0 top
D1#63  SK6812  [LED_SK6812_PLCC4_5.0x5.0mm_P3.2mm]  17.9 17.09 0 top
D1#64  SK6812  [LED_SK6812_PLCC4_5.0x5.0mm_P3.2mm]  30.5 17.09 0 top
D1#65  SK6812  [LED_SK6812_PLCC4_5.0x5.0mm_P3.2mm]  43.1 101.09 0 top
D1#66  SK6812  [LED_SK6812_PLCC4_5.0x5.0mm_P3.2mm]  118.7 77.09 0 top
D1#67  SK6812  [LED_SK6812_PLCC4_5.0x5.0mm_P3.2mm]  30.5 77.09 0 top
D1#68  SK6812  [LED_SK6812_PLCC4_5.0x5.0mm_P3.2mm]  80.9 101.09 0 top
D1#69  SK6812  [LED_SK6812_PLCC4_5.0x5.0mm_P3.2mm]  5.3 29.09 0 top
D1#70  SK6812  [LED_SK6812_PLCC4_5.0x5.0mm_P3.2mm]  5.3 5.1 0 top
D1#71  SK6812  [LED_SK6812_PLCC4_5.0x5.0mm_P3.2mm]  43.1 53.09 0 top
D1#72  SK6812  [LED_SK6812_PLCC4_5.0x5.0mm_P3.2mm]  5.3 89.09 0 top
D1#73  SK6812  [LED_SK6812_PLCC4_5.0x5.0mm_P3.2mm]  17.9 5.1 0 top
D1#74  SK6812  [LED_SK6812_PLCC4_5.0x5.0mm_P3.2mm]  17.9 113.09 0 top
D1#75  SK6812  [LED_SK6812_PLCC4_5.0x5.0mm_P3.2mm]  55.7 65.09 0 top
D1#76  SK6812  [LED_SK6812_PLCC4_5.0x5.0mm_P3.2mm]  5.3 53.09 0 top
D1#77  SK6812  [LED_SK6812_PLCC4_5.0x5.0mm_P3.2mm]  5.3 17.09 0 top
D1#78  SK6812  [LED_SK6812_PLCC4_5.0x5.0mm_P3.2mm]  55.7 17.09 0 top
D1#79  SK6812  [LED_SK6812_PLCC4_5.0x5.0mm_P3.2mm]  80.9 29.09 0 top
D1#80  SK6812  [LED_SK6812_PLCC4_5.0x5.0mm_P3.2mm]  68.3 29.09 0 top
D1#81  SK6812  [LED_SK6812_PLCC4_5.0x5.0mm_P3.2mm]  55.7 29.09 0 top
D1#82  SK6812  [LED_SK6812_PLCC4_5.0x5.0mm_P3.2mm]  43.1 89.09 0 top
D1#83  SK6812  [LED_SK6812_PLCC4_5.0x5.0mm_P3.2mm]  30.5 89.09 0 top
D1#84  SK6812  [LED_SK6812_PLCC4_5.0x5.0mm_P3.2mm]  118.7 89.09 0 top
D1#85  SK6812  [LED_SK6812_PLCC4_5.0x5.0mm_P3.2mm]  80.9 77.09 0 top
D1#86  SK6812  [LED_SK6812_PLCC4_5.0x5.0mm_P3.2mm]  17.9 101.09 0 top
D1#87  SK6812  [LED_SK6812_PLCC4_5.0x5.0mm_P3.2mm]  17.9 65.09 0 top
D1#88  SK6812  [LED_SK6812_PLCC4_5.0x5.0mm_P3.2mm]  106.1 41.09 0 top
D1#89  SK6812  [LED_SK6812_PLCC4_5.0x5.0mm_P3.2mm]  106.1 77.09 0 top
D1#90  SK6812  [LED_SK6812_PLCC4_5.0x5.0mm_P3.2mm]  68.3 89.09 0 top
D1#91  SK6812  [LED_SK6812_PLCC4_5.0x5.0mm_P3.2mm]  30.5 65.09 0 top
D1#92  SK6812  [LED_SK6812_PLCC4_5.0x5.0mm_P3.2mm]  55.7 113.09 0 top
D1#93  SK6812  [LED_SK6812_PLCC4_5.0x5.0mm_P3.2mm]  30.5 53.09 0 top
D1#94  SK6812  [LED_SK6812_PLCC4_5.0x5.0mm_P3.2mm]  106.1 113.09 0 top
D1#95  SK6812  [LED_SK6812_PLCC4_5.0x5.0mm_P3.2mm]  5.3 77.09 0 top
D1#96  SK6812  [LED_SK6812_PLCC4_5.0x5.0mm_P3.2mm]  68.3 41.09 0 top
D1#97  SK6812  [LED_SK6812_PLCC4_5.0x5.0mm_P3.2mm]  68.3 77.09 0 top
D1#98  SK6812  [LED_SK6812_PLCC4_5.0x5.0mm_P3.2mm]  106.1 53.09 0 top
D1#99  SK6812  [LED_SK6812_PLCC4_5.0x5.0mm_P3.2mm]  5.3 65.09 0 top
D1#100  SK6812  [LED_SK6812_PLCC4_5.0x5.0mm_P3.2mm]  93.5 77.09 0 top
mouse-bite-2mm-slot  VAL**  [mouse-bite-2mm-slot]  68.3 46.99 0 top
mouse-bite-2mm-slot#2  VAL**  [mouse-bite-2mm-slot]  112.4 28.99 90 top
mouse-bite-2mm-slot#3  VAL**  [mouse-bite-2mm-slot]  62 40.99 90 top
mouse-bite-2mm-slot#4  VAL**  [mouse-bite-2mm-slot]  99.8 28.99 90 top
mouse-bite-2mm-slot#5  VAL**  [mouse-bite-2mm-slot]  87.2 28.99 90 top
mouse-bite-2mm-slot#6  VAL**  [mouse-bite-2mm-slot]  11.6 40.99 90 top
mouse-bite-2mm-slot#7  VAL**  [mouse-bite-2mm-slot]  5.3 82.99 0 top
mouse-bite-2mm-slot#8  VAL**  [mouse-bite-2mm-slot]  93.5 34.99 0 top
mouse-bite-2mm-slot#9  VAL**  [mouse-bite-2mm-slot]  55.7 82.99 0 top
mouse-bite-2mm-slot#10  VAL**  [mouse-bite-2mm-slot]  30.5 70.99 0 top
mouse-bite-2mm-slot#11  VAL**  [mouse-bite-2mm-slot]  87.2 40.99 90 top
mouse-bite-2mm-slot#12  VAL**  [mouse-bite-2mm-slot]  43.1 11 0 top
mouse-bite-2mm-slot#13  VAL**  [mouse-bite-2mm-slot]  112.4 5 90 top
mouse-bite-2mm-slot#14  VAL**  [mouse-bite-2mm-slot]  11.6 76.99 90 top
mouse-bite-2mm-slot#15  VAL**  [mouse-bite-2mm-slot]  68.3 11 0 top
mouse-bite-2mm-slot#16  VAL**  [mouse-bite-2mm-slot]  68.3 106.99 0 top
mouse-bite-2mm-slot#17  VAL**  [mouse-bite-2mm-slot]  43.1 22.99 0 top
mouse-bite-2mm-slot#18  VAL**  [mouse-bite-2mm-slot]  17.9 82.99 0 top
mouse-bite-2mm-slot#19  VAL**  [mouse-bite-2mm-slot]  30.5 82.99 0 top
mouse-bite-2mm-slot#20  VAL**  [mouse-bite-2mm-slot]  49.4 112.99 90 top
mouse-bite-2mm-slot#21  VAL**  [mouse-bite-2mm-slot]  112.4 88.99 90 top
mouse-bite-2mm-slot#22  VAL**  [mouse-bite-2mm-slot]  80.9 70.99 0 top
mouse-bite-2mm-slot#23  VAL**  [mouse-bite-2mm-slot]  106.1 82.99 0 top
mouse-bite-2mm-slot#24  VAL**  [mouse-bite-2mm-slot]  11.6 88.99 90 top
mouse-bite-2mm-slot#25  VAL**  [mouse-bite-2mm-slot]  99.8 64.99 90 top
mouse-bite-2mm-slot#26  VAL**  [mouse-bite-2mm-slot]  93.5 58.99 0 top
mouse-bite-2mm-slot#27  VAL**  [mouse-bite-2mm-slot]  17.9 46.99 0 top
mouse-bite-2mm-slot#28  VAL**  [mouse-bite-2mm-slot]  74.6 16.99 90 top
mouse-bite-2mm-slot#29  VAL**  [mouse-bite-2mm-slot]  49.4 28.99 90 top
mouse-bite-2mm-slot#30  VAL**  [mouse-bite-2mm-slot]  24.2 16.99 90 top
mouse-bite-2mm-slot#31  VAL**  [mouse-bite-2mm-slot]  5.3 70.99 0 top
mouse-bite-2mm-slot#32  VAL**  [mouse-bite-2mm-slot]  36.8 100.99 90 top
mouse-bite-2mm-slot#33  VAL**  [mouse-bite-2mm-slot]  43.1 46.99 0 top
mouse-bite-2mm-slot#34  VAL**  [mouse-bite-2mm-slot]  43.1 82.99 0 top
mouse-bite-2mm-slot#35  VAL**  [mouse-bite-2mm-slot]  49.4 76.99 90 top
mouse-bite-2mm-slot#36  VAL**  [mouse-bite-2mm-slot]  87.2 5 90 top
mouse-bite-2mm-slot#37  VAL**  [mouse-bite-2mm-slot]  49.4 52.99 90 top
mouse-bite-2mm-slot#38  VAL**  [mouse-bite-2mm-slot]  118.7 22.99 0 top
mouse-bite-2mm-slot#39  VAL**  [mouse-bite-2mm-slot]  118.7 70.99 0 top
mouse-bite-2mm-slot#40  VAL**  [mouse-bite-2mm-slot]  30.5 58.99 0 top
mouse-bite-2mm-slot#41  VAL**  [mouse-bite-2mm-slot]  106.1 34.99 0 top
mouse-bite-2mm-slot#42  VAL**  [mouse-bite-2mm-slot]  24.2 76.99 90 top
mouse-bite-2mm-slot#43  VAL**  [mouse-bite-2mm-slot]  11.6 64.99 90 top
mouse-bite-2mm-slot#44  VAL**  [mouse-bite-2mm-slot]  87.2 100.99 90 top
mouse-bite-2mm-slot#45  VAL**  [mouse-bite-2mm-slot]  55.7 106.99 0 top
mouse-bite-2mm-slot#46  VAL**  [mouse-bite-2mm-slot]  68.3 70.99 0 top
mouse-bite-2mm-slot#47  VAL**  [mouse-bite-2mm-slot]  36.8 5 90 top
mouse-bite-2mm-slot#48  VAL**  [mouse-bite-2mm-slot]  30.5 11 0 top
mouse-bite-2mm-slot#49  VAL**  [mouse-bite-2mm-slot]  55.7 58.99 0 top
mouse-bite-2mm-slot#50  VAL**  [mouse-bite-2mm-slot]  49.4 88.99 90 top
mouse-bite-2mm-slot#51  VAL**  [mouse-bite-2mm-slot]  112.4 40.99 90 top
mouse-bite-2mm-slot#52  VAL**  [mouse-bite-2mm-slot]  68.3 82.99 0 top
mouse-bite-2mm-slot#53  VAL**  [mouse-bite-2mm-slot]  68.3 34.99 0 top
mouse-bite-2mm-slot#54  VAL**  [mouse-bite-2mm-slot]  49.4 100.99 90 top
mouse-bite-2mm-slot#55  VAL**  [mouse-bite-2mm-slot]  43.1 58.99 0 top
mouse-bite-2mm-slot#56  VAL**  [mouse-bite-2mm-slot]  99.8 88.99 90 top
mouse-bite-2mm-slot#57  VAL**  [mouse-bite-2mm-slot]  49.4 5 90 top
mouse-bite-2mm-slot#58  VAL**  [mouse-bite-2mm-slot]  17.9 58.99 0 top
mouse-bite-2mm-slot#59  VAL**  [mouse-bite-2mm-slot]  55.7 70.99 0 top
mouse-bite-2mm-slot#60  VAL**  [mouse-bite-2mm-slot]  30.5 106.99 0 top
mouse-bite-2mm-slot#61  VAL**  [mouse-bite-2mm-slot]  87.2 52.99 90 top
mouse-bite-2mm-slot#62  VAL**  [mouse-bite-2mm-slot]  5.3 94.99 0 top
mouse-bite-2mm-slot#63  VAL**  [mouse-bite-2mm-slot]  36.8 52.99 90 top
mouse-bite-2mm-slot#64  VAL**  [mouse-bite-2mm-slot]  112.4 100.99 90 top
mouse-bite-2mm-slot#65  VAL**  [mouse-bite-2mm-slot]  112.4 64.99 90 top
mouse-bite-2mm-slot#66  VAL**  [mouse-bite-2mm-slot]  74.6 64.99 90 top
mouse-bite-2mm-slot#67  VAL**  [mouse-bite-2mm-slot]  87.2 88.99 90 top
mouse-bite-2mm-slot#68  VAL**  [mouse-bite-2mm-slot]  62 16.99 90 top
mouse-bite-2mm-slot#69  VAL**  [mouse-bite-2mm-slot]  24.2 40.99 90 top
mouse-bite-2mm-slot#70  VAL**  [mouse-bite-2mm-slot]  118.7 106.99 0 top
mouse-bite-2mm-slot#71  VAL**  [mouse-bite-2mm-slot]  87.2 112.99 90 top
mouse-bite-2mm-slot#72  VAL**  [mouse-bite-2mm-slot]  11.6 52.99 90 top
mouse-bite-2mm-slot#73  VAL**  [mouse-bite-2mm-slot]  99.8 112.99 90 top
mouse-bite-2mm-slot#74  VAL**  [mouse-bite-2mm-slot]  112.4 52.99 90 top
mouse-bite-2mm-slot#75  VAL**  [mouse-bite-2mm-slot]  49.4 40.99 90 top
mouse-bite-2mm-slot#76  VAL**  [mouse-bite-2mm-slot]  5.3 46.99 0 top
mouse-bite-2mm-slot#77  VAL**  [mouse-bite-2mm-slot]  112.4 112.99 90 top
mouse-bite-2mm-slot#78  VAL**  [mouse-bite-2mm-slot]  30.5 22.99 0 top
mouse-bite-2mm-slot#79  VAL**  [mouse-bite-2mm-slot]  24.2 100.99 90 top
mouse-bite-2mm-slot#80  VAL**  [mouse-bite-2mm-slot]  118.7 34.99 0 top
mouse-bite-2mm-slot#81  VAL**  [mouse-bite-2mm-slot]  80.9 82.99 0 top
mouse-bite-2mm-slot#82  VAL**  [mouse-bite-2mm-slot]  106.1 58.99 0 top
mouse-bite-2mm-slot#83  VAL**  [mouse-bite-2mm-slot]  118.7 11 0 top